# Altium PCB UmTRXv2.PcbDoc (part 19 of 25)
Units mm, origin at the board's own origin, x right, y up, seen from the top; angles counter-clockwise.
Board outline 159.5 x 99.5 mm, 6 copper layers (Top Layer, GND, MidLayer1, Mid-Layer 2, InternalPlane2, Bottom Layer), stack 1.526 mm thick; 708 components, 578 nets, 2802 pads, 1408 vias.
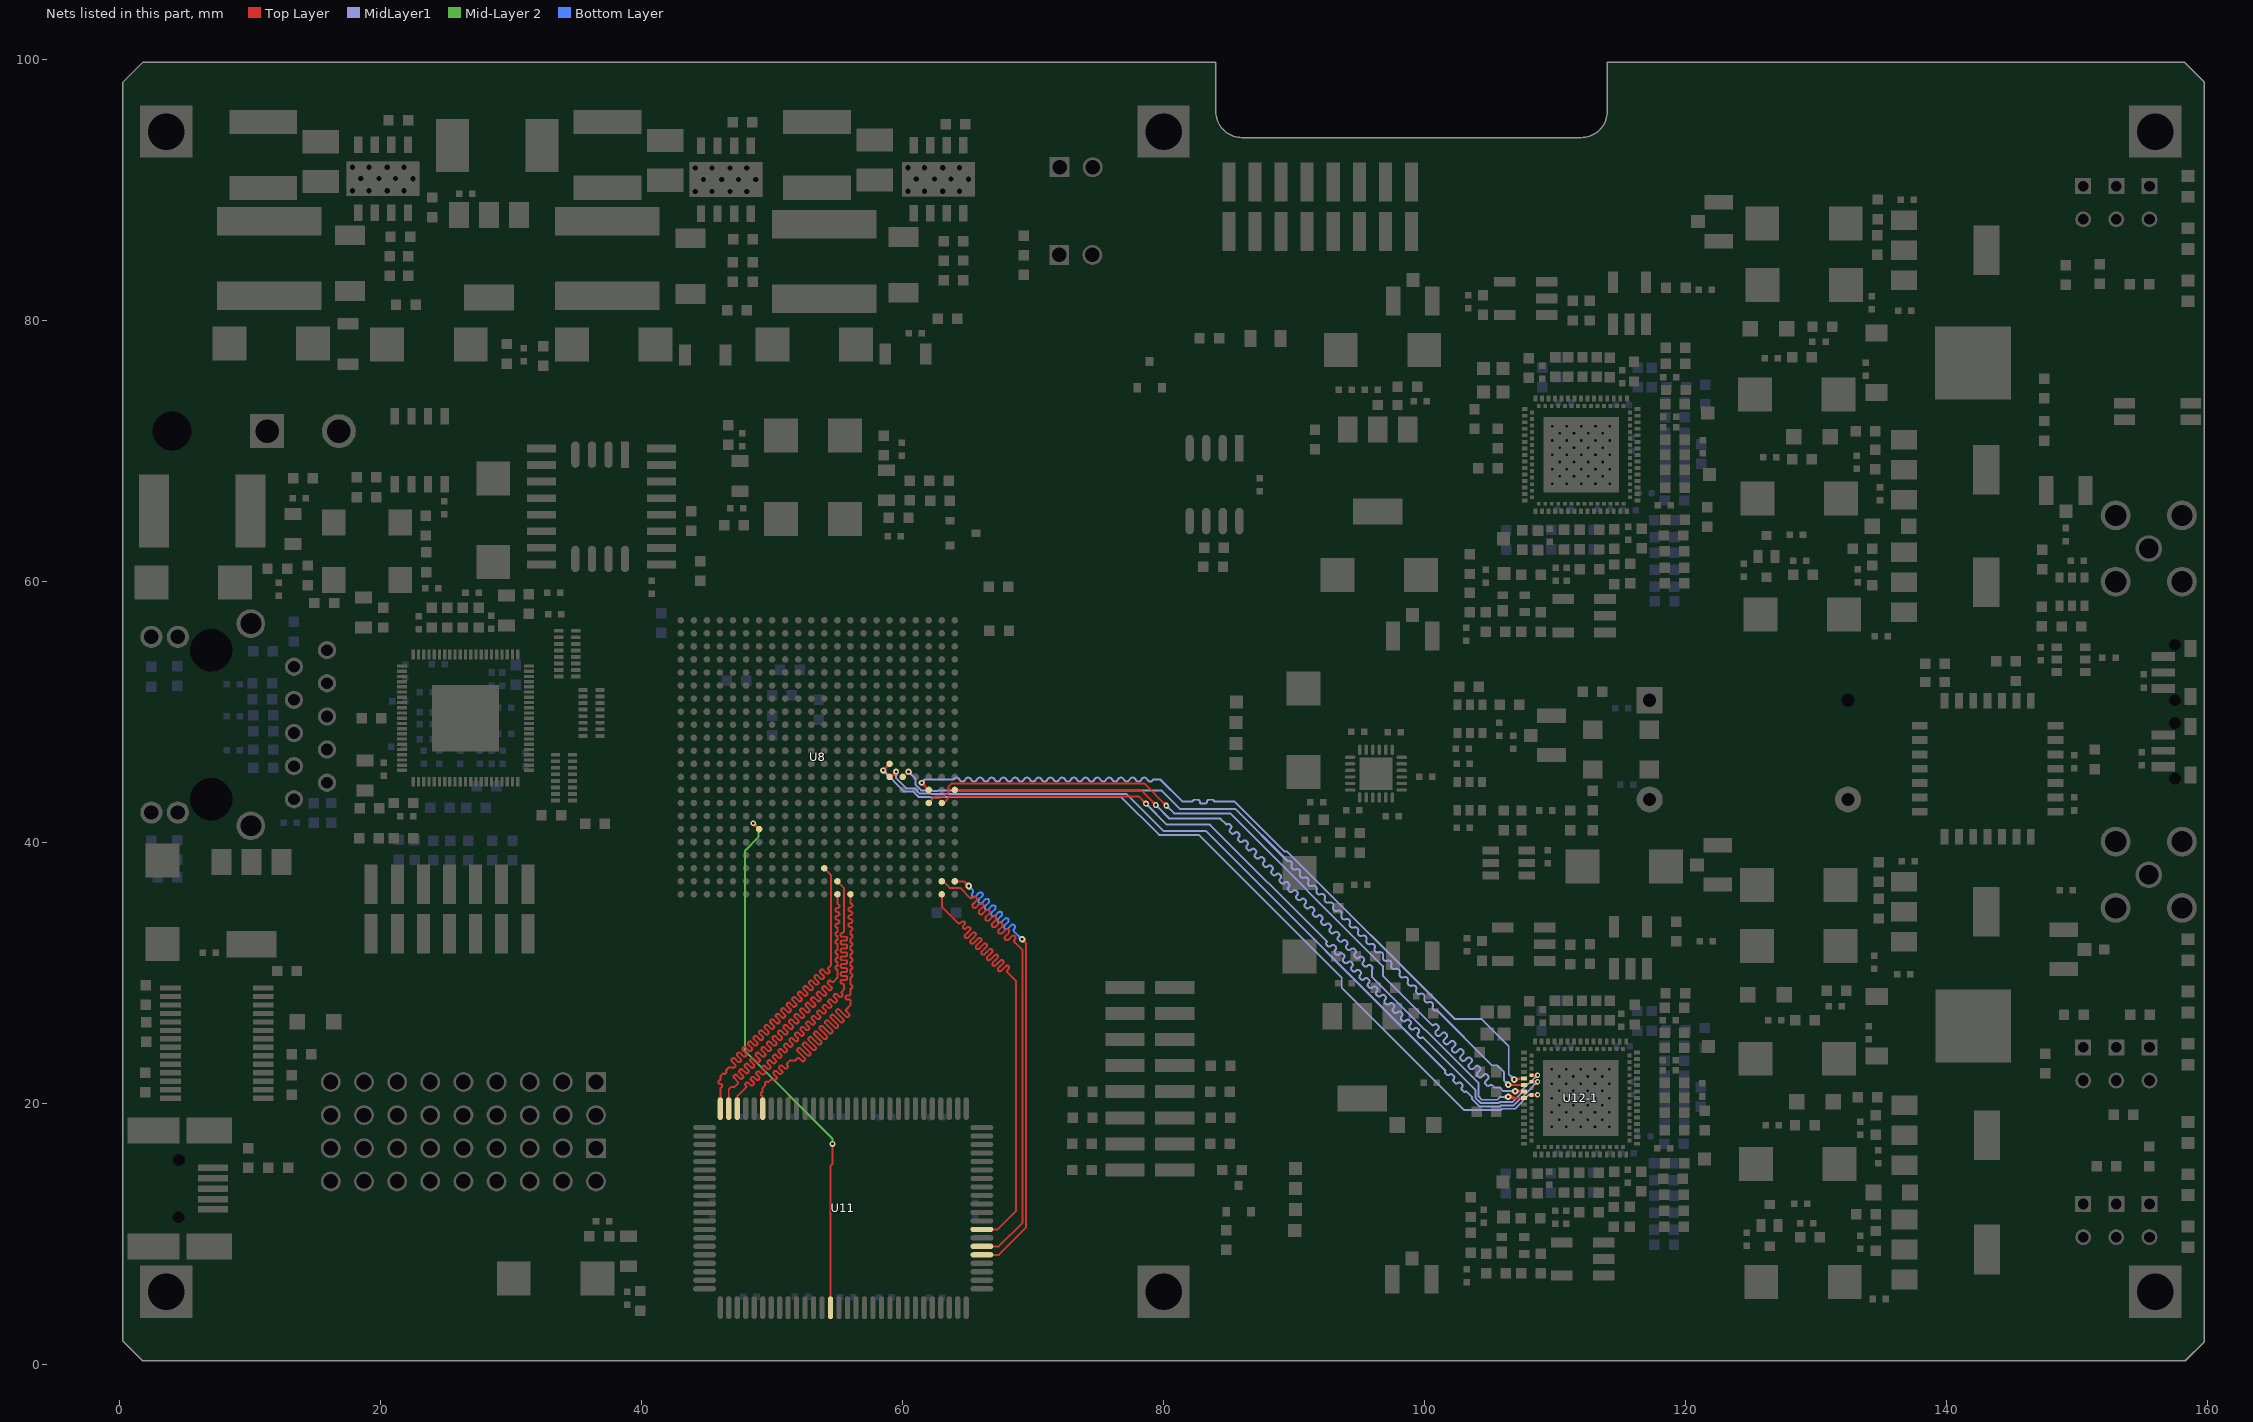
[diagram p23: the nets of this part, all layers, seen from the top]

## Via types
v1: diameter 0.5, hole 0.2, Top Layer to Bottom Layer, tented both sides, 441 vias
v2: diameter 0.45, hole 0.2, Top Layer to Bottom Layer, tented both sides, 429 vias
v3: diameter 0.7, hole 0.3, Top Layer to Bottom Layer, tented both sides, 258 vias
v4: diameter 0.4, hole 0.2, Top Layer to Bottom Layer, tented both sides, 197 vias
v5: diameter 0.8, hole 0.3, Top Layer to Bottom Layer, tented both sides, 61 vias
v6: diameter 0.6, hole 0.25, Top Layer to Bottom Layer, tented both sides, 16 vias
v7: diameter 0.6, hole 0.3, Top Layer to Bottom Layer, tented both sides, 4 vias
v8: diameter 1, hole 0.5, Top Layer to Bottom Layer, tented both sides, 2 vias

## Nets (pads, with @x,y where several pads share a name; then routed paths per layer and width w, separated by ;. In a path a pad name is that pad's centre, name@x,y a point inside that pad or via, vN(x,y) a via of type N, cw(c..) or ccw(c..) an arc to the next point about the centre after c; other vN are vias at no path point) (continued)
RAM_D32: U8.A9 U11.25 | length 39.8
  Top Layer w0.15: U11.25@49.275,19.575 49.275,20.55 cw(c49.275,20.7) 49.275,20.85 49.275,21.175 49.487,21.387 cw(c49.594,21.494) 49.7,21.6 49.926,21.826 50.109,21.826 ccw(c50.194,21.91) 50.279,21.825 50.322,21.868 ccw(c50.237,21.953) 50.322,22.038 50.138,22.222 cw(c50.223,22.306) 50.138,22.391 50.18,22.434 cw(c50.265,22.349) 50.35,22.434 50.534,22.25 ccw(c50.619,22.335) 50.703,22.25 50.746,22.292 ccw(c50.661,22.377) 50.746,22.462 50.654,22.554 50.562,22.646 cw(c50.647,22.731) 50.562,22.815 50.604,22.858 cw(c50.689,22.773) 50.774,22.858 50.958,22.674 ccw(c51.043,22.759) 51.128,22.674 51.17,22.716 ccw(c51.085,22.801) 51.17,22.886 51.163,22.893 ; 51.163,22.893 cw(c51.248,22.978) 51.163,23.063 51.35,23.25 51.75,23.25 51.921,23.421 cw(c52.006,23.336) 52.091,23.421 52.275,23.237 ccw(c52.36,23.322) 52.444,23.237 52.487,23.28 ccw(c52.402,23.365) 52.487,23.449 52.218,23.718 51.949,23.987 cw(c52.034,24.072) 51.949,24.156 51.992,24.199 cw(c52.077,24.114) 52.161,24.199 52.699,23.662 ccw(c52.784,23.746) 52.869,23.662 52.911,23.704 ccw(c52.826,23.789) 52.911,23.874 52.642,24.142 52.374,24.411 cw(c52.459,24.496) 52.374,24.581 52.416,24.623 cw(c52.501,24.538) 52.586,24.623 53.123,24.086 ccw(c53.208,24.171) 53.293,24.086 53.335,24.128 ccw(c53.251,24.213) 53.336,24.298 ; 53.335,24.298 52.798,24.835 cw(c52.883,24.92) 52.798,25.005 52.84,25.048 cw(c52.925,24.963) 53.01,25.048 53.279,24.779 53.548,24.51 ; 53.548,24.51 ccw(c53.632,24.595) 53.717,24.51 53.76,24.553 ; 53.76,24.553 ccw(c53.675,24.637) 53.76,24.722 53.222,25.26 cw(c53.307,25.345) 53.222,25.429 53.265,25.472 cw(c53.35,25.387) 53.434,25.472 53.972,24.934 ccw(c54.057,25.019) 54.141,24.934 ; 54.142,24.934 54.184,24.977 ccw(c54.099,25.062) 54.184,25.146 ; 54.184,25.147 53.915,25.415 53.647,25.684 cw(c53.731,25.769) 53.646,25.854 53.689,25.896 cw(c53.774,25.811) 53.859,25.896 54.396,25.359 ; 54.396,25.359 ccw(c54.481,25.444) 54.566,25.359 54.608,25.401 ccw(c54.523,25.486) 54.608,25.571 54.34,25.84 54.071,26.108 cw(c54.156,26.193) 54.071,26.278 54.113,26.32 cw(c54.198,26.235) 54.283,26.32 54.82,25.783 ccw(c54.905,25.868) 54.99,25.783 55.032,25.825 ccw(c54.948,25.91) 55.033,25.995 54.495,26.532 cw(c54.58,26.617) 54.495,26.702 ; 54.495,26.702 54.538,26.745 cw(c54.622,26.66) 54.707,26.745 54.976,26.476 55.245,26.207 ccw(c55.329,26.292) 55.414,26.207 55.457,26.25 ccw(c55.372,26.334) 55.457,26.419 54.919,26.957 cw(c55.004,27.042) 54.919,27.126 54.962,27.169 cw(c55.047,27.084) 55.131,27.169 55.669,26.631 ccw(c55.754,26.716) 55.838,26.631 55.881,26.674 ccw(c55.796,26.759) 55.881,26.844 55.697,27.027 cw(c55.782,27.112) 55.697,27.197 56,27.5 56,27.83 ccw(c55.88,27.83) 55.88,27.95 55.738,27.95 cw(c55.738,28.07) 55.618,28.07 55.618,28.13 cw(c55.738,28.13) 55.738,28.25 55.88,28.25 ccw(c55.88,28.37) 56,28.37 56,28.775 ccw(c56,28.925) 56,29.075 56,29.625 ccw(c56,29.775) 56,29.925 56,30.225 ccw(c56,30.375) 56,30.525 56,30.825 ccw(c56,30.975) 56,31.125 56,31.425 ccw(c56,31.575) 56,31.725 56,32.025 ccw(c56,32.175) 56,32.325 56,32.625 ccw(c56,32.775) 56,32.925 56,33.2 ccw(c56,33.35) 56,33.5 cw(c56,33.65) 56,33.8 ccw(c56,33.95) 56,34.1 cw(c56,34.25) 56,34.4 ccw(c56,34.55) 56,34.7 cw(c56,34.85) 56,35 ccw(c56,35.15) 56,35.3 U8.A9@56,36
RAM_D33: U8.B10 U11.28 | length 39.9
  Top Layer w0.15: U11.28@47.325,19.575 47.325,20.525 ; 48.812,22.196 cw(c48.897,22.281) 48.812,22.365 48.854,22.408 cw(c48.939,22.323) 49.024,22.408 49.208,22.224 ccw(c49.293,22.309) 49.378,22.224 49.42,22.266 ccw(c49.335,22.351) 49.42,22.436 49.236,22.62 cw(c49.321,22.705) 49.236,22.79 ; 48.812,22.196 48.904,22.104 48.996,22.012 cw(c48.911,21.927) 48.996,21.842 48.953,21.8 cw(c48.869,21.885) 48.784,21.8 48.6,21.984 ccw(c48.515,21.899) 48.43,21.984 48.388,21.941 ccw(c48.473,21.856) 48.388,21.772 48.572,21.588 cw(c48.487,21.503) 48.572,21.418 48.529,21.376 cw(c48.444,21.46) 48.359,21.376 48.176,21.559 ccw(c48.091,21.475) 48.006,21.56 47.963,21.517 ccw(c48.048,21.432) 47.963,21.347 48.055,21.255 47.546,20.746 ; 49.236,22.79 49.279,22.832 cw(c49.363,22.747) 49.448,22.832 ; 49.448,22.832 49.54,22.74 49.632,22.648 ; 49.632,22.648 ccw(c49.717,22.733) 49.802,22.648 ; 49.802,22.648 49.844,22.691 ccw(c49.759,22.776) 49.844,22.86 ; 49.844,22.86 49.66,23.044 cw(c49.745,23.129) 49.66,23.214 49.703,23.256 cw(c49.788,23.172) 49.872,23.257 49.965,23.165 50.056,23.073 ; 50.057,23.072 ccw(c50.141,23.157) 50.226,23.073 50.269,23.115 ; 50.269,23.115 ccw(c50.184,23.2) 50.269,23.285 50.085,23.469 cw(c50.17,23.553) 50.085,23.638 50.127,23.681 cw(c50.212,23.596) 50.297,23.681 ; 50.297,23.681 50.481,23.497 ccw(c50.566,23.582) 50.65,23.497 50.693,23.539 ccw(c50.608,23.624) 50.693,23.709 50.601,23.801 50.509,23.893 ; 50.509,23.893 cw(c50.594,23.978) 50.509,24.063 50.551,24.105 cw(c50.636,24.02) 50.721,24.105 50.905,23.921 ccw(c50.99,24.006) 51.075,23.921 51.117,23.964 ccw(c51.032,24.048) 51.117,24.133 50.933,24.317 cw(c51.018,24.402) 50.933,24.487 50.976,24.529 cw(c51.061,24.444) 51.145,24.529 51.329,24.345 ccw(c51.414,24.43) 51.499,24.345 51.541,24.388 ccw(c51.457,24.473) 51.542,24.557 51.358,24.741 cw(c51.442,24.826) 51.358,24.911 51.4,24.953 cw(c51.485,24.869) 51.569,24.954 51.662,24.862 51.753,24.77 ccw(c51.838,24.854) 51.923,24.77 51.966,24.812 ccw(c51.881,24.897) 51.966,24.982 51.782,25.166 cw(c51.867,25.25) 51.782,25.335 51.824,25.378 cw(c51.909,25.293) 51.994,25.378 52.178,25.194 ccw(c52.263,25.279) 52.347,25.194 52.39,25.236 ccw(c52.305,25.321) 52.39,25.406 52.298,25.498 52.206,25.59 cw(c52.291,25.675) 52.206,25.759 52.248,25.802 cw(c52.333,25.717) 52.418,25.802 52.602,25.618 ccw(c52.687,25.703) 52.772,25.618 52.814,25.661 ; 52.814,25.661 ccw(c52.729,25.745) 52.814,25.83 52.722,25.922 52.63,26.014 cw(c52.715,26.099) 52.63,26.184 52.673,26.226 cw(c52.758,26.141) 52.842,26.226 53.026,26.042 ccw(c53.111,26.127) 53.196,26.042 ; 53.196,26.042 53.238,26.085 ccw(c53.154,26.17) 53.239,26.254 53.055,26.438 cw(c53.139,26.523) 53.054,26.608 53.097,26.651 cw(c53.182,26.566) 53.267,26.651 53.359,26.559 53.451,26.467 ccw(c53.535,26.552) 53.62,26.467 53.663,26.509 ccw(c53.578,26.594) 53.663,26.679 53.479,26.863 cw(c53.564,26.948) 53.479,27.032 53.521,27.075 cw(c53.606,26.99) 53.691,27.075 53.875,26.891 ccw(c53.96,26.976) 54.044,26.891 54.087,26.933 ccw(c54.002,27.018) 54.087,27.103 53.995,27.195 53.903,27.287 cw(c53.988,27.372) 53.903,27.456 53.946,27.499 cw(c54.03,27.414) 54.115,27.499 54.299,27.315 ccw(c54.384,27.4) 54.469,27.315 54.511,27.358 ccw(c54.426,27.442) 54.511,27.527 54.419,27.619 54.327,27.711 cw(c54.412,27.796) 54.327,27.881 54.37,27.923 cw(c54.455,27.838) 54.539,27.923 54.723,27.739 ccw(c54.808,27.824) 54.893,27.739 54.935,27.782 ccw(c54.851,27.867) 54.936,27.951 54.752,28.135 cw(c54.836,28.22) 54.751,28.305 54.794,28.348 cw(c54.879,28.263) 54.964,28.348 55.056,28.256 55.148,28.164 ccw(c55.232,28.249) 55.317,28.164 55.36,28.206 ccw(c55.275,28.291) 55.36,28.376 55.353,28.383 cw(c55.438,28.468) 55.353,28.553 55.5,28.7 55.5,29.03 ccw(c55.38,29.03) 55.38,29.15 55.37,29.15 cw(c55.37,29.27) 55.25,29.27 55.25,29.33 cw(c55.37,29.33) 55.37,29.45 55.63,29.45 ccw(c55.63,29.57) 55.75,29.57 55.75,29.63 ccw(c55.63,29.63) 55.63,29.75 55.37,29.75 cw(c55.37,29.87) 55.25,29.87 55.25,29.93 cw(c55.37,29.93) 55.37,30.05 55.63,30.05 ccw(c55.63,30.17) 55.75,30.17 55.75,30.23 ccw(c55.63,30.23) 55.63,30.35 55.37,30.35 cw(c55.37,30.47) 55.25,30.47 55.25,30.53 cw(c55.37,30.53) 55.37,30.65 55.63,30.65 ccw(c55.63,30.77) 55.75,30.77 55.75,30.83 ccw(c55.63,30.83) 55.63,30.95 55.37,30.95 cw(c55.37,31.07) 55.25,31.07 55.25,31.13 cw(c55.37,31.13) 55.37,31.25 55.63,31.25 ccw(c55.63,31.37) 55.75,31.37 55.75,31.43 ccw(c55.63,31.43) 55.63,31.55 55.37,31.55 cw(c55.37,31.67) 55.25,31.67 55.25,31.73 cw(c55.37,31.73) 55.37,31.85 55.63,31.85 ccw(c55.63,31.97) 55.75,31.97 55.75,32.03 ccw(c55.63,32.03) 55.63,32.15 55.37,32.15 cw(c55.37,32.27) 55.25,32.27 55.25,32.33 cw(c55.37,32.33) 55.37,32.45 55.63,32.45 ccw(c55.63,32.57) 55.75,32.57 55.75,32.63 ccw(c55.63,32.63) 55.63,32.75 55.37,32.75 cw(c55.37,32.87) 55.25,32.87 55.25,32.93 cw(c55.37,32.93) 55.37,33.05 55.38,33.05 ccw(c55.38,33.17) 55.5,33.17 55.5,36.5 U8.B10@55,37 ; 47.325,20.525 47.546,20.746 ; 47.325,20.525 47.546,20.746
RAM_D34: U8.A10 U11.29 | length 39.4
  Top Layer w0.15: U11.29@46.675,19.575 46.675,21.075 46.85,21.25 47.125,21.25 47.375,21.5 47.375,21.636 47.078,21.933 cw(c47.163,22.017) 47.078,22.102 47.12,22.145 cw(c47.205,22.06) 47.29,22.145 47.417,22.017 47.545,21.89 ; 47.545,21.89 ccw(c47.63,21.975) 47.714,21.89 47.757,21.933 ccw(c47.672,22.017) 47.757,22.102 ; 47.757,22.102 47.63,22.23 47.502,22.357 cw(c47.587,22.442) 47.502,22.526 47.545,22.569 cw(c47.63,22.484) 47.714,22.569 47.969,22.314 ccw(c48.054,22.399) 48.139,22.314 48.181,22.357 ccw(c48.096,22.442) 48.181,22.526 48.054,22.654 47.927,22.781 cw(c48.011,22.866) 47.927,22.951 47.969,22.993 cw(c48.054,22.908) 48.139,22.993 48.393,22.739 ccw(c48.478,22.824) 48.563,22.739 48.605,22.781 ccw(c48.521,22.866) 48.606,22.951 48.351,23.205 cw(c48.436,23.29) 48.351,23.375 48.393,23.418 cw(c48.478,23.333) 48.563,23.418 48.69,23.29 48.818,23.163 ccw(c48.902,23.248) 48.987,23.163 49.03,23.205 ccw(c48.945,23.29) 49.03,23.375 48.775,23.63 ; 48.775,23.63 cw(c48.86,23.715) 48.775,23.799 48.818,23.842 cw(c48.902,23.757) 48.987,23.842 ; 48.987,23.842 49.115,23.715 49.242,23.587 ccw(c49.327,23.672) 49.412,23.587 49.454,23.63 ccw(c49.369,23.715) 49.454,23.799 49.199,24.054 ; 49.199,24.054 cw(c49.284,24.139) 49.199,24.224 49.242,24.266 cw(c49.327,24.181) 49.411,24.266 ; 49.411,24.266 49.666,24.011 ccw(c49.751,24.096) 49.836,24.011 49.878,24.054 ccw(c49.793,24.139) 49.878,24.223 49.751,24.351 49.624,24.478 ; 49.623,24.478 cw(c49.708,24.563) 49.624,24.648 49.666,24.69 cw(c49.751,24.605) 49.836,24.69 ; 49.836,24.69 50.09,24.436 ccw(c50.175,24.521) 50.26,24.436 50.302,24.478 ccw(c50.218,24.563) 50.303,24.648 50.175,24.775 50.048,24.902 ; 50.048,24.903 cw(c50.133,24.987) 50.048,25.072 50.09,25.115 cw(c50.175,25.03) 50.26,25.115 ; 50.26,25.115 50.387,24.987 50.515,24.86 ccw(c50.599,24.945) 50.684,24.86 50.727,24.902 ccw(c50.642,24.987) 50.727,25.072 50.472,25.327 cw(c50.557,25.412) 50.472,25.496 50.515,25.539 cw(c50.599,25.454) 50.684,25.539 50.812,25.412 50.939,25.284 ccw(c51.024,25.369) 51.109,25.284 51.151,25.327 ccw(c51.066,25.412) 51.151,25.496 50.896,25.751 cw(c50.981,25.836) 50.896,25.921 50.939,25.963 cw(c51.024,25.878) 51.108,25.963 51.363,25.709 ccw(c51.448,25.793) 51.533,25.709 51.575,25.751 ccw(c51.49,25.836) 51.575,25.921 51.448,26.048 51.321,26.175 cw(c51.406,26.26) 51.321,26.345 51.363,26.387 cw(c51.448,26.303) 51.533,26.388 51.787,26.133 ; 51.788,26.133 ccw(c51.872,26.218) 51.957,26.133 52,26.175 ccw(c51.915,26.26) 52,26.345 ; 52,26.345 51.872,26.472 51.745,26.6 cw(c51.83,26.684) 51.745,26.769 51.787,26.812 cw(c51.872,26.727) 51.957,26.812 52.084,26.684 52.212,26.557 ccw(c52.296,26.642) 52.381,26.557 52.424,26.6 ccw(c52.339,26.684) 52.424,26.769 ; 52.424,26.769 52.169,27.024 cw(c52.254,27.109) 52.169,27.193 52.212,27.236 cw(c52.296,27.151) 52.381,27.236 52.509,27.109 52.636,26.981 ccw(c52.721,27.066) 52.806,26.981 52.848,27.024 ccw(c52.763,27.109) 52.848,27.193 52.593,27.448 cw(c52.678,27.533) 52.593,27.618 52.636,27.66 cw(c52.721,27.575) 52.806,27.66 52.933,27.533 53.06,27.406 ccw(c53.145,27.49) 53.23,27.406 53.272,27.448 ccw(c53.187,27.533) 53.272,27.618 53.145,27.745 53.018,27.872 cw(c53.103,27.957) 53.018,28.042 53.06,28.084 cw(c53.145,28) 53.23,28.085 53.484,27.83 ccw(c53.569,27.915) 53.654,27.83 53.697,27.872 ccw(c53.612,27.957) 53.697,28.042 ; 53.697,28.042 53.569,28.169 53.442,28.297 cw(c53.527,28.381) 53.442,28.466 53.484,28.509 cw(c53.569,28.424) 53.654,28.509 53.909,28.254 ; 53.909,28.254 ccw(c53.994,28.339) 54.078,28.254 54.121,28.297 ccw(c54.036,28.381) 54.121,28.466 ; 54.121,28.466 53.866,28.721 cw(c53.951,28.806) 53.866,28.89 53.909,28.933 cw(c53.994,28.848) 54.078,28.933 54.206,28.806 54.333,28.678 ccw(c54.418,28.763) 54.503,28.678 54.545,28.721 ccw(c54.46,28.806) 54.545,28.89 54.291,29.145 cw(c54.375,29.23) 54.291,29.315 54.333,29.357 cw(c54.418,29.272) 54.503,29.357 54.545,29.315 ccw(c54.63,29.4) 54.715,29.315 55,29.6 55,30.225 cw(c55,30.375) 55,30.525 55,30.825 cw(c55,30.975) 55,31.125 55,31.425 cw(c55,31.575) 55,31.725 55,32.2 cw(c55,32.35) 55,32.5 55,32.8 cw(c55,32.95) 55,33.1 55,33.45 cw(c55,33.6) 55,33.75 ccw(c55,33.9) 55,34.05 cw(c55,34.2) 55,34.35 ccw(c55,34.5) 55,34.65 cw(c55,34.8) 55,34.95 ccw(c55,35.1) 55,35.25 U8.A10@55,36
RAM_D35: U8.C11 U11.30 | length 39.9
  Top Layer w0.15: U11.30@46.025,19.575 46.025,21.175 ccw(c46.025,21.325) 46.025,21.475 cw(c46.025,21.625) 46.025,21.775 46.025,22.075 46.237,22.287 ccw(c46.343,22.393) 46.449,22.499 46.692,22.742 46.947,22.742 ccw(c47.031,22.827) 47.116,22.742 47.159,22.784 ccw(c47.074,22.869) 47.159,22.954 46.904,23.209 cw(c46.989,23.294) 46.904,23.378 46.947,23.421 cw(c47.031,23.336) 47.116,23.421 47.371,23.166 ccw(c47.456,23.251) 47.541,23.166 47.583,23.209 ccw(c47.498,23.294) 47.583,23.378 47.456,23.506 47.328,23.633 cw(c47.413,23.718) 47.328,23.803 47.371,23.845 cw(c47.456,23.76) 47.54,23.845 47.795,23.591 ccw(c47.88,23.675) 47.965,23.591 48.007,23.633 ccw(c47.922,23.718) 48.007,23.803 ; 47.965,24.27 ccw(c47.88,24.185) 47.795,24.269 47.753,24.227 ccw(c47.838,24.142) 47.753,24.057 47.88,23.93 48.007,23.803 ; 47.965,24.269 48.092,24.142 48.219,24.015 ccw(c48.304,24.1) 48.389,24.015 ; 48.177,24.482 cw(c48.262,24.566) 48.177,24.651 48.219,24.694 cw(c48.304,24.609) 48.389,24.694 ; 48.177,24.482 48.432,24.227 ; 48.389,24.015 48.432,24.057 ccw(c48.347,24.142) 48.432,24.227 ; 48.389,24.694 48.516,24.566 48.644,24.439 ; 48.601,24.906 cw(c48.686,24.991) 48.601,25.075 48.644,25.118 cw(c48.729,25.033) 48.813,25.118 48.941,24.991 49.068,24.863 ccw(c49.153,24.948) 49.238,24.863 49.28,24.906 ccw(c49.195,24.991) 49.28,25.075 49.153,25.203 49.025,25.33 cw(c49.11,25.415) 49.025,25.5 49.068,25.542 cw(c49.153,25.457) 49.237,25.542 49.492,25.288 ccw(c49.577,25.372) 49.662,25.288 49.704,25.33 ccw(c49.619,25.415) 49.704,25.5 49.577,25.627 49.45,25.754 cw(c49.535,25.839) 49.45,25.924 49.492,25.966 cw(c49.577,25.882) 49.662,25.966 49.916,25.712 ccw(c50.001,25.797) 50.086,25.712 50.129,25.754 ccw(c50.044,25.839) 50.129,25.924 49.874,26.179 cw(c49.959,26.263) 49.874,26.348 49.916,26.391 cw(c50.001,26.306) 50.086,26.391 50.213,26.263 50.341,26.136 ccw(c50.426,26.221) 50.51,26.136 50.553,26.179 ccw(c50.468,26.263) 50.553,26.348 50.298,26.603 cw(c50.383,26.688) 50.298,26.773 50.341,26.815 cw(c50.426,26.73) 50.51,26.815 50.638,26.688 50.765,26.56 ccw(c50.85,26.645) 50.935,26.56 50.977,26.603 ccw(c50.892,26.688) 50.977,26.772 50.85,26.9 50.723,27.027 ; 48.601,24.906 48.856,24.651 cw(c48.771,24.566) 48.856,24.482 48.813,24.439 cw(c48.729,24.524) 48.644,24.439 ; 50.722,27.027 cw(c50.807,27.112) 50.723,27.197 50.765,27.239 cw(c50.85,27.154) 50.935,27.239 ; 50.935,27.239 51.189,26.985 ; 51.147,27.451 51.274,27.324 51.401,27.197 ; 51.147,27.452 cw(c51.232,27.536) 51.147,27.621 51.189,27.664 ; 51.189,26.985 ccw(c51.274,27.07) 51.359,26.985 51.401,27.027 ccw(c51.317,27.112) 51.402,27.197 ; 51.189,27.664 cw(c51.274,27.579) 51.359,27.664 51.614,27.409 ; 51.614,27.409 ccw(c51.698,27.494) 51.783,27.409 51.826,27.451 ccw(c51.741,27.536) 51.826,27.621 51.571,27.876 cw(c51.656,27.96) 51.571,28.045 51.614,28.088 cw(c51.698,28.003) 51.783,28.088 51.91,27.96 52.038,27.833 ccw(c52.123,27.918) 52.207,27.833 52.25,27.876 ccw(c52.165,27.96) 52.25,28.045 51.995,28.3 cw(c52.08,28.385) 51.995,28.47 52.038,28.512 cw(c52.123,28.427) 52.207,28.512 52.335,28.385 52.462,28.257 ccw(c52.547,28.342) 52.632,28.257 52.674,28.3 ccw(c52.589,28.385) 52.674,28.47 52.42,28.724 cw(c52.504,28.809) 52.42,28.894 52.462,28.936 cw(c52.547,28.851) 52.632,28.936 52.886,28.682 ccw(c52.971,28.767) 53.056,28.682 53.098,28.724 ccw(c53.014,28.809) 53.099,28.894 52.971,29.021 52.844,29.148 cw(c52.929,29.233) 52.844,29.318 52.886,29.361 cw(c52.971,29.276) 53.056,29.361 53.311,29.106 ccw(c53.395,29.191) 53.48,29.106 53.523,29.148 ccw(c53.438,29.233) 53.523,29.318 53.395,29.445 53.268,29.573 cw(c53.353,29.658) 53.268,29.742 53.311,29.785 cw(c53.395,29.7) 53.48,29.785 53.608,29.658 53.735,29.53 ccw(c53.82,29.615) 53.905,29.53 53.947,29.573 ccw(c53.862,29.658) 53.947,29.742 53.692,29.997 cw(c53.777,30.082) 53.692,30.167 53.735,30.209 cw(c53.82,30.124) 53.904,30.209 54.032,30.082 54.159,29.955 ccw(c54.244,30.039) 54.329,29.955 54.371,29.997 ccw(c54.286,30.082) 54.371,30.167 54.329,30.209 cw(c54.414,30.294) 54.329,30.379 ; U8.C11@54.025,38.025 54.025,37.975 54.5,37.5 54.5,30.55 54.329,30.379
RAM_LDN: U8.B1 U11.85 | length 52.1
  Top Layer w0.15: U8.B1@64,37 64.7,37 v1(65.06,36.64) ; U11.85@66.075,8.375 67.375,8.375 69.45,10.45 69.45,32.25 v1(69.15,32.55) ; 64.762,36.938 cw(c64.463,36.64) v1@64.885,36.64 ; 64.762,36.938 ccw(c65.06,37.237) v1@65.06,36.815 ; 64.762,36.938 ccw(c65.06,37.237) v1@65.06,36.815 ; 64.762,36.938 cw(c64.463,36.64) v1@64.885,36.64 ; 64.762,36.938 ccw(c65.06,37.237) v1@65.06,36.815 ; 64.762,36.938 cw(c64.463,36.64) v1@64.885,36.64 ; 64.801,36.884 cw(c64.716,36.569) v1@65.036,36.635 ; 64.801,36.884 cw(c64.716,36.569) v1@65.036,36.635 ; 64.801,36.884 cw(c64.716,36.569) v1@65.036,36.635 ; 64.816,36.899 ccw(c65.131,36.984) v1@65.065,36.664 ; 64.816,36.899 ccw(c65.131,36.984) v1@65.065,36.664 ; 64.816,36.899 ccw(c65.131,36.984) v1@65.065,36.664 ; v1@69.145,32.526 cw(c69.08,32.206) 69.395,32.29 ; v1@69.145,32.526 cw(c69.08,32.206) 69.395,32.29 ; v1@69.145,32.526 cw(c69.08,32.206) 69.395,32.29 ; v1@69.15,32.375 cw(c69.15,31.953) 69.449,32.251 ; v1@69.15,32.375 cw(c69.15,31.953) 69.449,32.251 ; v1@69.15,32.375 cw(c69.15,31.953) 69.449,32.251 ; v1@69.174,32.555 ccw(c69.494,32.62) 69.41,32.305 ; v1@69.174,32.555 ccw(c69.494,32.62) 69.41,32.305 ; v1@69.174,32.555 ccw(c69.494,32.62) 69.41,32.305 ; v1@69.325,32.55 ccw(c69.747,32.55) 69.449,32.251 ; v1@69.325,32.55 ccw(c69.747,32.55) 69.449,32.251 ; v1@69.325,32.55 ccw(c69.747,32.55) 69.449,32.251
  Bottom Layer w0.15: v1(65.06,36.64) 65.35,36.35 ; v1(69.15,32.55) 68.55,33.15 cw(c68.656,33.256) 68.55,33.363 68.567,33.38 ccw(c68.444,33.504) 68.567,33.628 ccw(c68.444,33.504) 68.32,33.628 68.072,33.38 cw(c67.949,33.504) 67.825,33.38 cw(c67.949,33.504) 67.825,33.628 68.072,33.875 ccw(c67.949,33.999) 68.072,34.123 ccw(c67.949,33.999) 67.825,34.123 67.701,33.999 67.577,33.875 cw(c67.454,33.999) 67.33,33.875 cw(c67.454,33.999) 67.33,34.123 67.577,34.37 ccw(c67.454,34.494) 67.577,34.618 ccw(c67.454,34.494) 67.33,34.618 67.082,34.37 cw(c66.959,34.494) 66.835,34.37 cw(c66.959,34.494) 66.835,34.618 67.082,34.865 ccw(c66.959,34.989) 67.082,35.113 ccw(c66.959,34.989) 66.835,35.113 66.587,34.865 cw(c66.464,34.989) 66.34,34.865 cw(c66.464,34.989) 66.34,35.113 66.587,35.36 ccw(c66.464,35.484) 66.587,35.608 ccw(c66.464,35.484) 66.34,35.608 66.092,35.36 cw(c65.969,35.484) 65.845,35.36 cw(c65.969,35.484) 65.845,35.608 66.092,35.855 ccw(c65.969,35.979) 66.092,36.103 ccw(c65.969,35.979) 65.845,36.103 65.597,35.855 cw(c65.474,35.979) 65.35,35.855 cw(c65.474,35.979) 65.35,36.103 ccw(c65.226,36.226) 65.35,36.35 ; v1@65.064,36.465 cw(c65.073,36.073) 65.35,36.35 ; v1@65.064,36.465 cw(c65.073,36.073) 65.35,36.35 ; v1@65.064,36.465 cw(c65.073,36.073) 65.35,36.35 ; v1@65.235,36.636 ccw(c65.627,36.627) 65.35,36.35 ; v1@65.235,36.636 ccw(c65.627,36.627) 65.35,36.35 ; v1@65.235,36.636 ccw(c65.627,36.627) 65.35,36.35 ; 68.851,32.849 cw(c68.553,32.55) v1@68.975,32.55 ; 68.851,32.849 ccw(c69.15,33.147) v1@69.15,32.725 ; 68.851,32.849 ccw(c69.15,33.147) v1@69.15,32.725 ; 68.851,32.849 cw(c68.553,32.55) v1@68.975,32.55 ; 68.851,32.849 ccw(c69.15,33.147) v1@69.15,32.725 ; 68.851,32.849 cw(c68.553,32.55) v1@68.975,32.55
RAM_OEN: U8.B2 U11.86 | length 40.1
  Top Layer w0.15: U8.B2@63,37 63.104,37 63.604,36.5 64.4,36.5 65.145,35.755 ccw(c65.269,35.879) 65.392,35.755 cw(c65.516,35.631) 65.64,35.755 cw(c65.516,35.631) 65.64,35.508 65.392,35.26 ccw(c65.516,35.136) 65.392,35.013 ccw(c65.516,35.136) 65.64,35.013 65.887,35.26 cw(c66.011,35.136) 66.135,35.26 cw(c66.011,35.136) 66.135,35.013 65.887,34.765 ccw(c66.011,34.641) 65.887,34.518 ccw(c66.011,34.641) 66.135,34.518 66.382,34.765 cw(c66.506,34.641) 66.63,34.765 cw(c66.506,34.641) 66.63,34.518 66.382,34.27 ccw(c66.506,34.146) 66.382,34.023 ccw(c66.506,34.146) 66.63,34.023 66.877,34.27 cw(c67.001,34.146) 67.125,34.27 cw(c67.001,34.146) 67.125,34.023 67.001,33.899 66.877,33.775 ccw(c67.001,33.651) 66.877,33.528 ccw(c67.001,33.651) 67.125,33.528 67.372,33.775 cw(c67.496,33.651) 67.62,33.775 cw(c67.496,33.651) 67.62,33.528 67.372,33.28 ccw(c67.496,33.156) 67.372,33.033 ccw(c67.496,33.156) 67.62,33.033 67.867,33.28 cw(c67.991,33.156) 68.115,33.28 cw(c67.991,33.156) 68.115,33.033 67.867,32.785 ccw(c67.991,32.661) 67.867,32.538 ccw(c67.991,32.661) 68.115,32.538 68.362,32.785 cw(c68.486,32.661) 68.61,32.785 cw(c68.486,32.661) 68.61,32.538 68.575,32.503 ccw(c68.664,32.414) 68.575,32.325 69.2,31.7 69.2,10.85 67.375,9.025 U11.86@66.075,9.025